# KiCad board VME_Protoboard_160.kicad_pcb
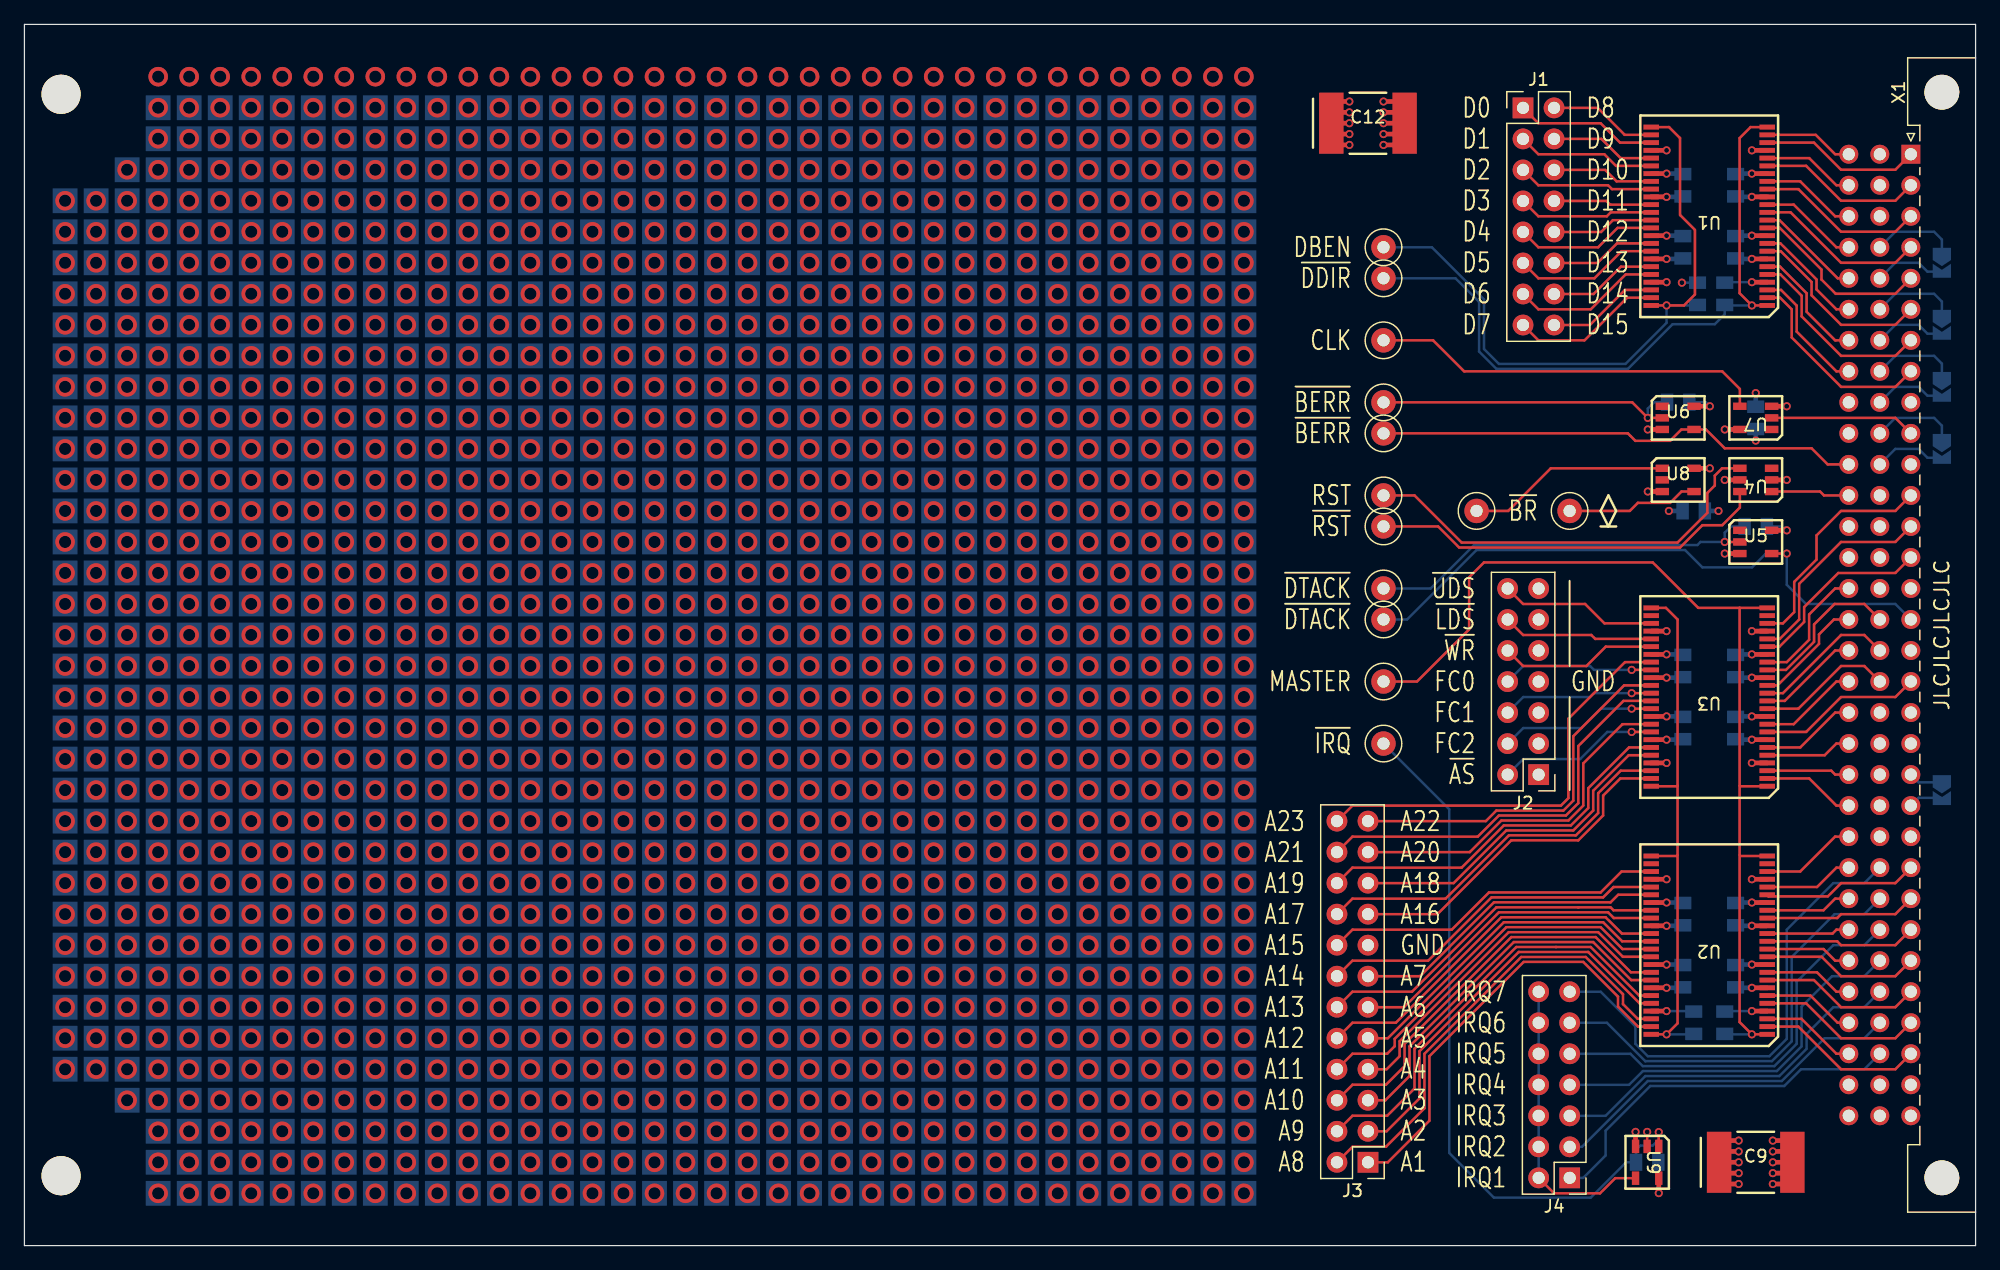
[diagram p0: board, top side]
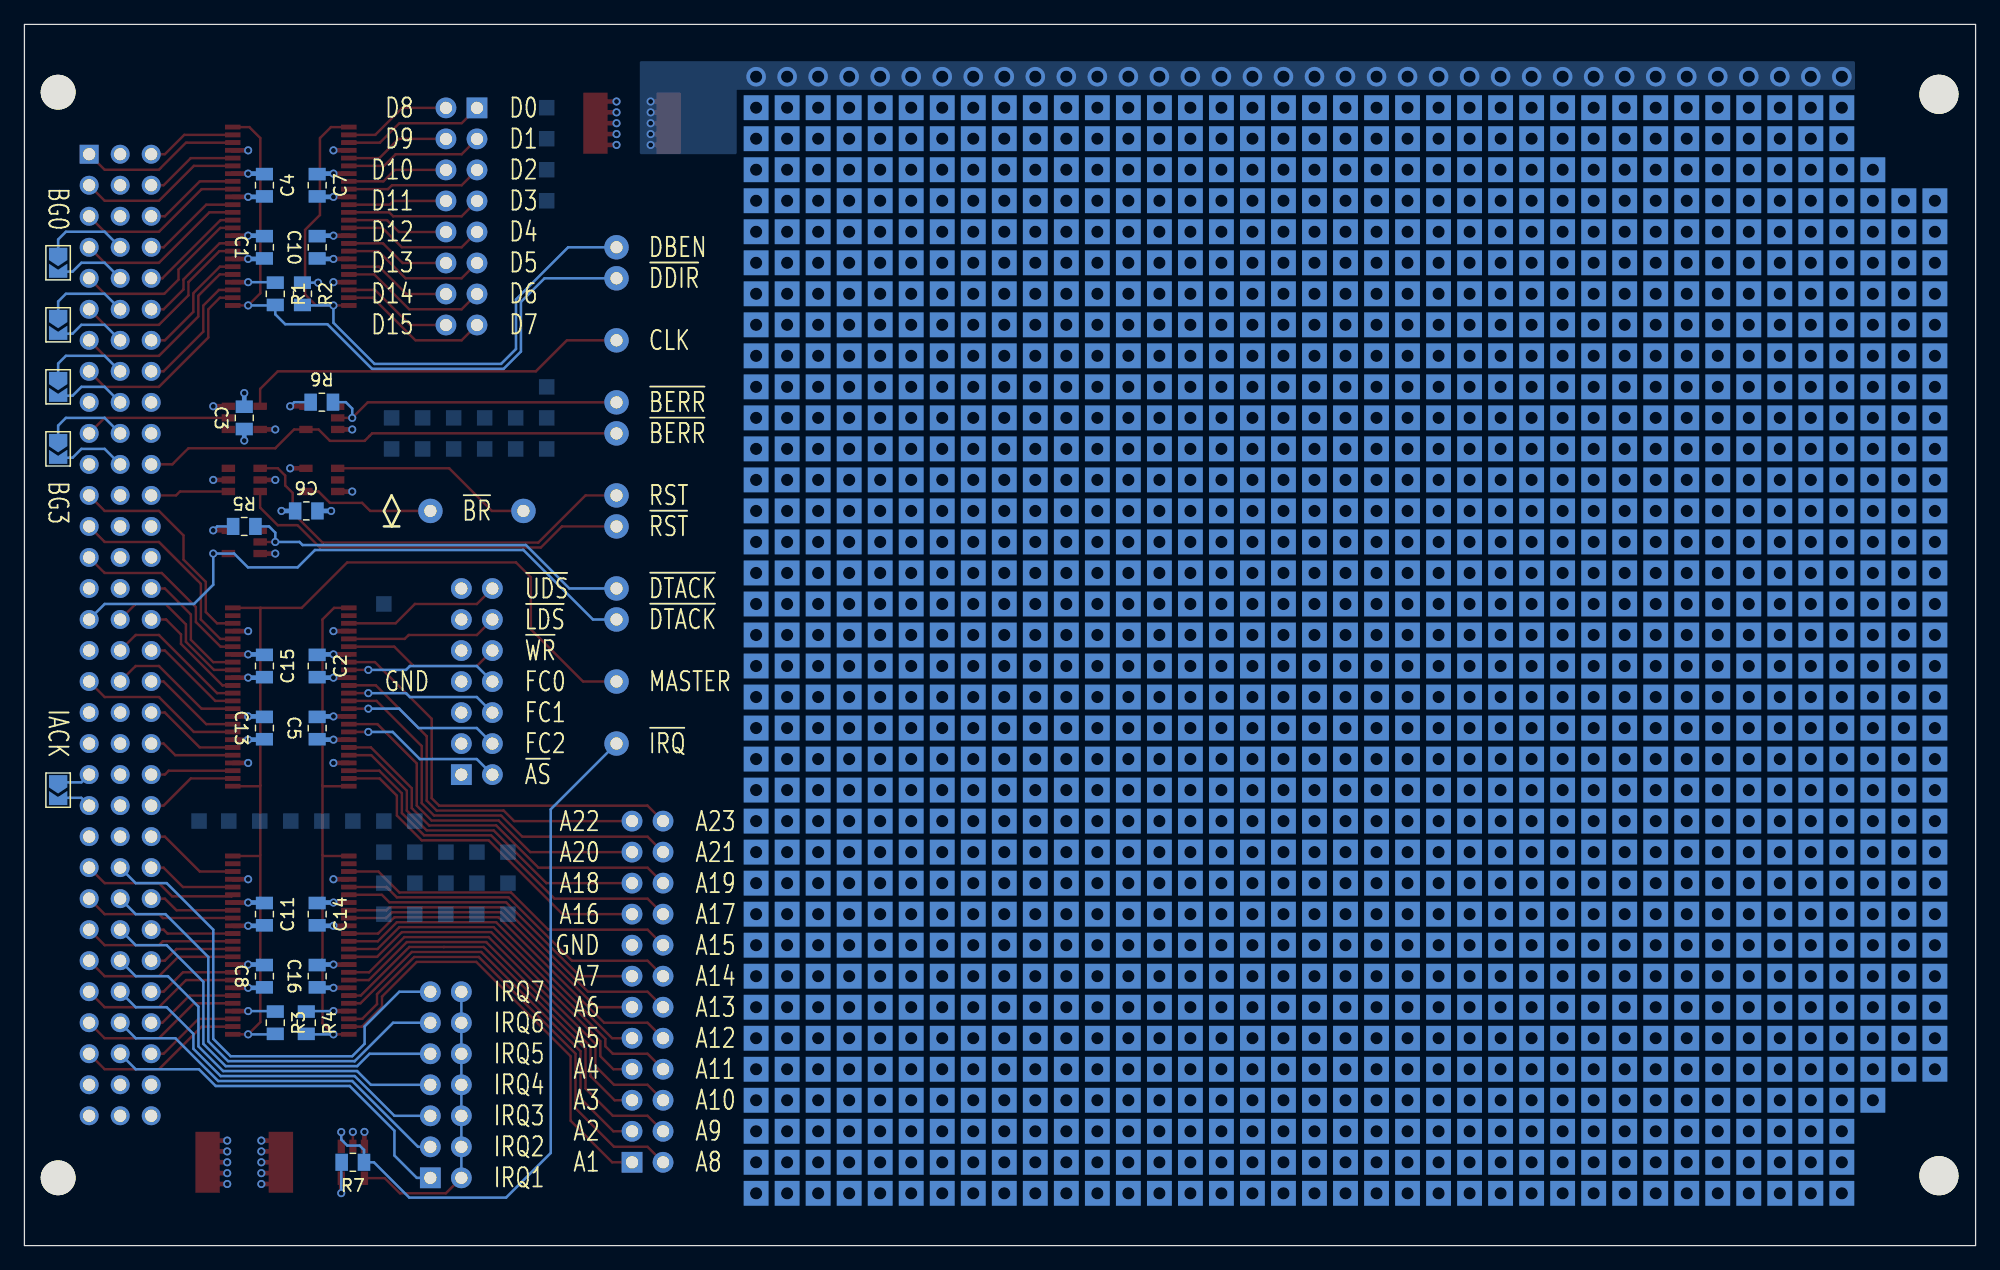
[diagram p1: board, bottom side, seen from below]

Outline 159.76 x 100 mm; copper layers: Top, In1.Cu, In2.Cu, Bottom. Coordinates in mm from the lower left corner of the outline.
Outline path: 0,100 0,0 159.76,0 159.76,100 0,100
Stack: Top 0.035mm / dielectric 1.51mm FR4 er 4.5 / In1.Cu 0.035mm / dielectric 1.51mm FR4 er 4.5 / In2.Cu 0.035mm / dielectric 1.51mm FR4 er 4.5 / Bottom 0.035mm

## Placement (name value [footprint] x y rotation side)
C1  100nF  [C_SMD0805]  140.11 81.75 90 bottom
C2  100nF  [C_SMD0805]  135.79 47.46 270 bottom
C3  100nF  [C_SMD0805]  141.76 67.78 90 bottom
C4  100nF  [C_SMD0805]  140.11 86.83 270 bottom
C5  100nF  [C_SMD0805]  135.79 42.38 90 bottom
C6  100nF  [C_SMD0805]  136.68 60.16 180 bottom
C7  100nF  [C_SMD0805]  135.79 86.83 270 bottom
C8  100nF  [C_SMD0805]  140.11 22.06 90 bottom
C9  100uF  [C_SMD_4.3MMx7.3MM]  141.76 6.82 0 top
C10  100nF  [C_SMD0805]  135.79 81.75 90 bottom
C11  100nF  [C_SMD0805]  140.11 27.14 270 bottom
C12  100uF  [C_SMD_4.3MMx7.3MM]  110.01 91.91 0 top
C13  100nF  [C_SMD0805]  140.11 42.38 90 bottom
C14  100nF  [C_SMD0805]  135.79 27.14 270 bottom
C15  100nF  [C_SMD0805]  140.11 47.46 270 bottom
C16  100nF  [C_SMD0805]  135.79 22.06 90 bottom
J1  Conn_02x08_Odd_Even  [PinHeader_2x08_P2.54mm_Vertical]  122.71 93.16 0 top
J2  Conn_02x08_Odd_Even  [PinHeader_2x07_P2.54mm_Vertical]  123.99 38.56 180 top
J3  Conn_02x12_Odd_Even  [PinHeader_2x12_P2.54mm_Vertical]  110.01 6.82 180 top
J4  Conn_02x07_Odd_Even  [PinHeader_2x07_P2.54mm_Vertical]  126.53 5.54 180 top
JP1  SolderJumper_2_Open  [SolderJumper-2_P1.3mm_Open_TrianglePad1.0x1.5mm]  157 37.3 270 bottom
JP2  SolderJumper_2_Open  [SolderJumper-2_P1.3mm_Open_TrianglePad1.0x1.5mm]  157 80.48 270 bottom
JP3  SolderJumper_2_Open  [SolderJumper-2_P1.3mm_Open_TrianglePad1.0x1.5mm]  157 75.4 270 bottom
JP4  SolderJumper_2_Open  [SolderJumper-2_P1.3mm_Open_TrianglePad1.0x1.5mm]  157 70.32 270 bottom
JP5  SolderJumper_2_Open  [SolderJumper-2_P1.3mm_Open_TrianglePad1.0x1.5mm]  157 65.24 270 bottom
R1  10K  [R_SMD0805]  139.22 77.94 270 bottom
R2  10K  [R_SMD0805]  137 77.94 270 bottom
R3  10K  [R_SMD0805]  139.22 18.25 270 bottom
R4  10K  [R_SMD0805]  136.68 18.25 270 bottom
R5  10K  [R_SMD0805]  141.76 58.89 180 bottom
R6  10K  [R_SMD0805]  135.41 69.06 180 bottom
R7  10K  [R_SMD0805]  132.87 6.82 0 bottom
REF**  -  [MountingHole_3.2mm_M3]  3 94.28 0 top
REF**#2  -  [MountingHole_3.2mm_M3]  3 5.72 0 top
TP1  TestPoint  [TestPoint_Loop_D1.80mm_Drill1.0mm_Beaded]  111.28 79.21 0 top
TP2  TestPoint  [TestPoint_Loop_D1.80mm_Drill1.0mm_Beaded]  111.28 81.75 0 top
TP3  TestPoint  [TestPoint_Loop_D1.80mm_Drill1.0mm_Beaded]  111.28 46.19 0 top
TP4  TestPoint  [TestPoint_Loop_D1.80mm_Drill1.0mm_Beaded]  111.28 53.81 270 top
TP5  TestPoint  [TestPoint_Loop_D1.80mm_Drill1.0mm_Beaded]  111.28 69.05 270 top
TP6  TestPoint  [TestPoint_Loop_D1.80mm_Drill1.0mm_Beaded]  111.28 51.27 0 top
TP7  TestPoint  [TestPoint_Loop_D1.80mm_Drill1.0mm_Beaded]  111.28 66.51 0 top
TP8  TestPoint  [TestPoint_Loop_D1.80mm_Drill1.0mm_Beaded]  111.28 74.13 270 top
TP9  TestPoint  [TestPoint_Loop_D1.80mm_Drill1.0mm_Beaded]  111.28 58.89 270 top
TP10  TestPoint  [TestPoint_Loop_D1.80mm_Drill1.0mm_Beaded]  111.28 61.43 270 top
TP11  TestPoint  [TestPoint_Loop_D1.80mm_Drill1.0mm_Beaded]  118.9 60.16 270 top
TP12  TestPoint  [TestPoint_Loop_D1.80mm_Drill1.0mm_Beaded]  111.28 41.11 270 top
TP13  TestPoint  [TestPoint_Loop_D1.80mm_Drill1.0mm_Beaded]  126.52 60.16 0 top
U1  74x16245  [Package_SSOP48-1]  137.95 84.29 180 top
U2  74x16245  [Package_SSOP48-1]  137.95 24.6 180 top
U3  74x16245  [Package_SSOP48-1]  137.95 44.92 180 top
U4  74x1G19  [Package_SOT23-6]  141.76 62.7 180 top
U5  74x1G07  [Package_SOT23-5]  141.76 57.62 0 top
U6  74x1G07  [Package_SOT23-5]  135.41 67.78 0 top
U7  74x1G125  [Package_SOT23-5]  141.76 67.78 180 top
U8  74x1G125  [Package_SOT23-5]  135.41 62.7 0 top
U9  74x1G125  [Package_SOT23-5]  132.87 6.82 270 top
X1  DIN41612_03x32_ABC_VMEbus  [DIN41612_C_3x32_Male_Horizontal_THT]  154.46 89.37 270 top

## Footprints (pads in the part's own frame, mm; a bottom-side part is the same pattern mirrored in y, then rotated)
C_SMD0805
  rect 1.025x1.4 smd: 1(-0.912,0) 2(0.912,0)
C_SMD_4.3MMx7.3MM
  rect 2x5 smd: 1(-3,0) 2(3,0)
DIN41612_C_3x32_Male_Horizontal_THT
  round 2.85 hole 2.85 unplated: (-5.08,2.54) (83.82,2.54)
  rect 1.55x1.55 hole 1: a1(0,0)
  round 1.55 hole 1: a2(2.54,0) a3(5.08,0) a4(7.62,0) a5(10.16,0) a6(12.7,0) a7(15.24,0) a8(17.78,0) a9(20.32,0) a10(22.86,0) a11(25.4,0) a12(27.94,0) a13(30.48,0) a14(33.02,0) a15(35.56,0) a16(38.1,0) a17(40.64,0) a18(43.18,0) a19(45.72,0) a20(48.26,0) a21(50.8,0) a22(53.34,0) a23(55.88,0) a24(58.42,0) a25(60.96,0) a26(63.5,0) a27(66.04,0) a28(68.58,0) a29(71.12,0) a30(73.66,0) a31(76.2,0) a32(78.74,0) b1(0,-2.54) b2(2.54,-2.54) b3(5.08,-2.54) b4(7.62,-2.54) b5(10.16,-2.54) b6(12.7,-2.54) b7(15.24,-2.54) b8(17.78,-2.54) b9(20.32,-2.54) b10(22.86,-2.54) b11(25.4,-2.54) b12(27.94,-2.54) b13(30.48,-2.54) b14(33.02,-2.54) b15(35.56,-2.54) b16(38.1,-2.54) b17(40.64,-2.54) b18(43.18,-2.54) b19(45.72,-2.54) b20(48.26,-2.54) b21(50.8,-2.54) b22(53.34,-2.54) b23(55.88,-2.54) b24(58.42,-2.54) b25(60.96,-2.54) b26(63.5,-2.54) b27(66.04,-2.54) b28(68.58,-2.54) b29(71.12,-2.54) b30(73.66,-2.54) b31(76.2,-2.54) b32(78.74,-2.54) c1(0,-5.08) c2(2.54,-5.08) c3(5.08,-5.08) c4(7.62,-5.08) c5(10.16,-5.08) c6(12.7,-5.08) c7(15.24,-5.08) c8(17.78,-5.08) c9(20.32,-5.08) c10(22.86,-5.08) c11(25.4,-5.08) c12(27.94,-5.08) c13(30.48,-5.08) c14(33.02,-5.08) c15(35.56,-5.08) c16(38.1,-5.08) c17(40.64,-5.08) c18(43.18,-5.08) c19(45.72,-5.08) c20(48.26,-5.08) c21(50.8,-5.08) c22(53.34,-5.08) c23(55.88,-5.08) c24(58.42,-5.08) c25(60.96,-5.08) c26(63.5,-5.08) c27(66.04,-5.08) c28(68.58,-5.08) c29(71.12,-5.08) c30(73.66,-5.08) c31(76.2,-5.08) c32(78.74,-5.08)
MountingHole_3.2mm_M3
  round 3.2 hole 3.2 unplated: (0,0)
Package_SOT23-5
  rect 1.1x0.6 smd: 1(-1.3,0.95) 2(-1.3,0) 3(-1.3,-0.95) 4(1.3,-0.95) 5(1.3,0.95)
Package_SOT23-6
  rect 1.1x0.6 smd: 1(-1.3,0.95) 2(-1.3,0) 3(-1.3,-0.95) 4(1.3,-0.95) 5(1.3,0) 6(1.3,0.95)
Package_SSOP48-1
  rect 1.27x0.4 smd: 1(-4.751,7.303) 2(-4.751,6.668) 3(-4.751,6.032) 4(-4.751,5.397) 5(-4.751,4.763) 6(-4.751,4.128) 7(-4.751,3.493) 8(-4.751,2.857) 9(-4.751,2.223) 10(-4.751,1.587) 11(-4.751,0.953) 12(-4.751,0.318) 13(-4.751,-0.318) 14(-4.751,-0.953) 15(-4.751,-1.587) 16(-4.751,-2.223) 17(-4.751,-2.857) 18(-4.751,-3.493) 19(-4.751,-4.128) 20(-4.751,-4.763) 21(-4.751,-5.397) 22(-4.751,-6.032) 23(-4.751,-6.668) 24(-4.751,-7.303) 25(4.751,-7.303) 26(4.751,-6.668) 27(4.751,-6.032) 28(4.751,-5.397) 29(4.751,-4.763) 30(4.751,-4.128) 31(4.751,-3.493) 32(4.751,-2.857) 33(4.751,-2.223) 34(4.751,-1.587) 35(4.751,-0.953) 36(4.751,-0.318) 37(4.751,0.318) 38(4.751,0.953) 39(4.751,1.587) 40(4.751,2.223) 41(4.751,2.857) 42(4.751,3.493) 43(4.751,4.128) 44(4.751,4.763) 45(4.751,5.397) 46(4.751,6.032) 47(4.751,6.668) 48(4.751,7.303)
PinHeader_2x07_P2.54mm_Vertical
  rect 1.7x1.7 hole 1: 1(0,0)
  oval 1.7x1.7 hole 1: 2(2.54,0) 3(0,-2.54) 4(2.54,-2.54) 5(0,-5.08) 6(2.54,-5.08) 7(0,-7.62) 8(2.54,-7.62) 9(0,-10.16) 10(2.54,-10.16) 11(0,-12.7) 12(2.54,-12.7) 13(0,-15.24) 14(2.54,-15.24)
PinHeader_2x08_P2.54mm_Vertical
  rect 1.7x1.7 hole 1: 1(0,0)
  oval 1.7x1.7 hole 1: 2(2.54,0) 3(0,-2.54) 4(2.54,-2.54) 5(0,-5.08) 6(2.54,-5.08) 7(0,-7.62) 8(2.54,-7.62) 9(0,-10.16) 10(2.54,-10.16) 11(0,-12.7) 12(2.54,-12.7) 13(0,-15.24) 14(2.54,-15.24) 15(0,-17.78) 16(2.54,-17.78)
PinHeader_2x12_P2.54mm_Vertical
  rect 1.7x1.7 hole 1: 1(0,0)
  oval 1.7x1.7 hole 1: 2(2.54,0) 3(0,-2.54) 4(2.54,-2.54) 5(0,-5.08) 6(2.54,-5.08) 7(0,-7.62) 8(2.54,-7.62) 9(0,-10.16) 10(2.54,-10.16) 11(0,-12.7) 12(2.54,-12.7) 13(0,-15.24) 14(2.54,-15.24) 15(0,-17.78) 16(2.54,-17.78) 17(0,-20.32) 18(2.54,-20.32) 19(0,-22.86) 20(2.54,-22.86) 21(0,-25.4) 22(2.54,-25.4) 23(0,-27.94) 24(2.54,-27.94)
R_SMD0805
  rect 1.025x1.4 smd: 1(-0.912,0) 2(0.912,0)
SolderJumper-2_P1.3mm_Open_TrianglePad1.0x1.5mm
  custom 1.5x1.5 smd: 1(-0.725,0)
  custom 1.15x1.5 smd: 2(0.725,0)
TestPoint_Loop_D1.80mm_Drill1.0mm_Beaded
  round 2 hole 1: 1(0,0)

## Nets
+5V: C1.1 C2.1 C3.1 C4.1 C5.1 C6.1 C7.1 C8.1 C9.1 C10.1 C11.1 C12.1 C13.1 C14.1 C15.1 C16.1 R2.1 R5.1 R6.1 R7.2 U1.7 U1.18 U1.31 U1.42 U2.7 U2.18 U2.31 U2.42 U3.7 U3.18 U3.31 U3.42 U4.5 U5.5 U6.5 U7.5 U8.5 U9.5 X1.a32 X1.b32 X1.c32
GND: C1.2 C2.2 C3.2 C4.2 C5.2 C6.2 C7.2 C8.2 C9.2 C10.2 C11.2 C12.2 C13.2 C14.2 C15.2 C16.2 J2.1 J2.3 J2.5 J2.7 J2.9 J2.11 J2.13 J3.15 R1.1 R3.1 R4.1 U1.4 U1.10 U1.15 U1.21 U1.28 U1.34 U1.39 U1.45 U2.4 U2.10 U2.15 U2.21 U2.23 U2.26 U2.28 U2.34 U2.39 U2.45 U3.4 U3.10 U3.15 U3.21 U3.23 U3.26 U3.28 U3.34 U3.39 U3.45 U4.2 U4.3 U5.3 U6.3 U7.1 U7.3 U8.2 U8.3 U9.2 U9.3 X1.a9 X1.a11 X1.a15 X1.a17 X1.a19 X1.b20 X1.b23 X1.c9
/A1: J3.1 U2.47
/A2: J3.3 U2.44
/A3: J3.5 U2.41
/A4: J3.7 U2.38
/A5: J3.9 U2.36
/A6: J3.11 U2.33
/A7: J3.13 U2.30
/A8: J3.2 U2.46
/A9: J3.4 U2.43
/A10: J3.6 U2.40
/A11: J3.8 U2.37
/A12: J3.10 U2.35
/A13: J3.12 U2.32
/A14: J3.14 U2.29
/A15: J3.16 U2.27
/A16: J3.17 U3.47
/A17: J3.18 U3.46
/A18: J3.19 U3.44
/A19: J3.20 U3.43
/A20: J3.21 U3.40
/A21: J3.22 U3.37
/A22: J3.23 U3.35
/A23: J3.24 U3.32
/D0: J1.1 U1.27
/D1: J1.3 U1.30
/D2: J1.5 U1.33
/D3: J1.7 U1.36
/D4: J1.9 U1.38
/D5: J1.11 U1.41
/D6: J1.13 U1.44
/D7: J1.15 U1.47
/D8: J1.2 U1.26
/D9: J1.4 U1.29
/D10: J1.6 U1.32
/D11: J1.8 U1.35
/D12: J1.10 U1.37
/D13: J1.12 U1.40
/D14: J1.14 U1.43
/D15: J1.16 U1.46
/DDIR: R1.2 TP1.1 U1.1 U1.24
/FC0: J2.8 U3.33
/FC0`: U3.16 X1.b16
/FC1: J2.6 U3.36
/FC1`: U3.13 X1.b17
/FC2: J2.4 U3.38
/FC2`: U3.11 X1.b18
/MASTER: R3.2 TP3.1 U2.1 U2.24 U3.1 U3.24
/SA1: U2.2 X1.a30
/SA2: U2.5 X1.a29
/SA3: U2.8 X1.a28
/SA4: U2.11 X1.a27
/SA5: U2.13 X1.a26
/SA6: U2.16 X1.a25
/SA7: U2.19 X1.a24
/SA8: U2.3 X1.c30
/SA9: U2.6 X1.c29
/SA10: U2.9 X1.c28
/SA11: U2.12 X1.c27
/SA12: U2.14 X1.c26
/SA13: U2.17 X1.c25
/SA14: U2.20 X1.c24
/SA15: U2.22 X1.c23
/SA16: U3.2 X1.c22
/SA17: U3.3 X1.c21
/SA18: U3.5 X1.c20
/SA19: U3.6 X1.c19
/SA20: U3.9 X1.c18
/SA21: U3.12 X1.c17
/SA22: U3.14 X1.c16
/SA23: U3.17 X1.c15
/SD0: U1.22 X1.a1
/SD1: U1.19 X1.a2
/SD2: U1.16 X1.a3
/SD3: U1.13 X1.a4
/SD4: U1.11 X1.a5
/SD5: U1.8 X1.a6
/SD6: U1.5 X1.a7
/SD7: U1.2 X1.a8
/SD8: U1.23 X1.c1
/SD9: U1.20 X1.c2
/SD10: U1.17 X1.c3
/SD11: U1.14 X1.c4
/SD12: U1.12 X1.c5
/SD13: U1.9 X1.c6
/SD14: U1.6 X1.c7
/SD15: U1.3 X1.c8
/SYSCLK: TP8.1 U7.4
/SYSCLK`: U7.2 X1.a10
/SYSRESET: TP10.1 U4.4
/~{AS`}: U3.8 X1.a18
/~{AS}: J2.2 U3.41
/~{BERR_DRV}: R6.2 TP5.1 U6.2
/~{BERR`}: TP7.1 U6.4 X1.c11
/~{BG0IN}: JP2.1 X1.b4
/~{BG0OUT}: JP2.2 X1.b5
/~{BG1IN}: JP3.1 X1.b6
/~{BG1OUT}: JP3.2 X1.b7
/~{BG2IN}: JP4.1 X1.b8
/~{BG2OUT}: JP4.2 X1.b9
/~{BG3IN}: JP5.1 X1.b10
/~{BG3OUT}: JP5.2 X1.b11
/~{BR0`}: X1.b12
/~{BR1`}: X1.b13
/~{BR2`}: X1.b14
/~{BR3`}: X1.b15
/~{BR}: TP11.1 U8.1
/~{DBEN}: R2.2 TP2.1 U1.25 U1.48
/~{DTACK_DRV}: R5.2 TP4.1 U5.2
/~{DTACK`}: TP6.1 U5.4 X1.a16
/~{IACKIN}: JP1.1 X1.a21
/~{IACKOUT}: JP1.2 X1.a22
/~{IRQ1`}: J4.1 X1.b30
/~{IRQ2`}: J4.3 X1.b29
/~{IRQ3`}: J4.5 X1.b28
/~{IRQ4`}: J4.7 X1.b27
/~{IRQ5`}: J4.9 X1.b26
/~{IRQ6`}: J4.11 X1.b25
/~{IRQ7`}: J4.13 X1.b24
/~{IRQ}: R7.1 TP12.1 U9.1
/~{LDS`}: U3.20 X1.a13
/~{LDS}: J2.12 U3.29
/~{SYSRESET`}: U4.1 X1.c12
/~{SYSRESET}: TP9.1 U4.6
/~{UDS`}: U3.22 X1.a12
/~{UDS}: J2.14 U3.27
/~{WRITE`}: U3.19 X1.a14
/~{WRITE}: J2.10 U3.30
Net-(J4-Pad10): J4.2 J4.4 J4.6 J4.8 J4.10 J4.12 J4.14 U9.4
Net-(R4-Pad2): R4.2 U2.25 U2.48 U3.25 U3.48
Net-(TP13-Pad1): TP13.1 U8.4

Pads without a net: U5 1; U6 1; X1 a20 a23 a31 b1 b2 b3 b19 b21 b22 b31 c10 c13 c14 c31

## Via types
v1: diameter 1.6, hole 1, Top to Bottom, 1421 vias
v2: diameter 0.66, hole 0.4, Top to Bottom, 86 vias

## Routing (per net, layer and track width the routed paths; a pad name or vN(x,y) marks a point on that pad's centre or on a via; arc(x,y) is an arc through that point)
+5V: length 64
  Top w0.381: U2.31 v2(134.46,28.09) ; U2.18 v2(141.44,28.09) ; 106.91,90.28 107.06,90.13 v2(108.49,90.13) ; U3.31 v2(134.46,48.41) ; v2(108.49,91.02) 106.99,91.02 106.91,91.1 ; U1.18 v2(141.44,87.78) ; 106.91,92.72 106.99,92.8 v2(108.49,92.8) ; v2(108.49,93.69) 107.06,93.69 106.91,93.54 ; U4.5 v2(139.22,62.7) ; v2(140.36,8.6) 138.84,8.6 ; v2(140.36,7.71) 138.71,7.71 ; v2(140.36,6.82) 138.71,6.82 ; U3.42 v2(134.46,41.43) ; v2(140.36,5.04) 138.84,5.04 ; v2(138,63.65) U8.5 ; U2.42 v2(134.46,21.11) ; v2(144.3,58.57) U5.5 ; U1.42 v2(134.46,80.8) ; v2(139.22,66.83) U7.5 ; U1.7 v2(141.44,80.8) ; v2(138,68.73) U6.5 ; U3.18 v2(141.44,48.41) ; U1.31 v2(134.46,87.78) ; U2.7 v2(141.44,21.11) ; U3.7 v2(141.44,41.43) ; v2(140.36,5.93) 138.97,5.93 ; v2(133.82,4.3) U9.5 ; v2(108.49,91.91) C12.1
  Bottom w0.203: R5.1 143.98,58.89 v2(144.3,58.57) ; v2(138,68.73) 137.67,69.06 R6.1 ; v2(133.82,4.3) 133.82,6.78 R7.2 ; v2(135.71,78.85) R2.1
  Bottom w0.381: C16.1 135.75,21.11 v2(134.46,21.11) ; v2(134.46,87.78) 135.75,87.78 C7.1 ; C13.1 140.15,41.43 v2(141.44,41.43) ; C4.1 140.15,87.78 v2(141.44,87.78) ; v2(141.44,28.09) 140.15,28.09 C11.1 ; C5.1 135.75,41.43 v2(134.46,41.43) ; v2(134.46,80.8) 135.75,80.8 C10.1 ; v2(134.46,48.41) 135.75,48.41 C2.1 ; C14.1 135.75,28.09 v2(134.46,28.09) ; C6.1 v2(138.71,60.16) ; C1.1 140.15,80.8 v2(141.44,80.8) ; C15.1 140.15,48.41 v2(141.44,48.41) ; v2(141.44,21.11) 140.15,21.11 C8.1 ; C3.1 v2(141.76,65.92)
  vias: v1(10.95,95.72) v1(13.49,95.72) v1(16.03,95.72) v1(18.57,95.72) v1(21.11,95.72) v1(23.65,95.72) v1(26.19,95.72) v1(28.73,95.72) v1(31.27,95.72) v1(33.81,95.72) v1(36.35,95.72) v1(38.89,95.72) v1(41.43,95.72) v1(43.97,95.72) v1(46.51,95.72) v1(49.05,95.72) v1(51.59,95.72) v1(54.13,95.72) v1(56.67,95.72) v1(59.21,95.72) v1(61.75,95.72) v1(64.29,95.72) v1(66.83,95.72) v1(69.37,95.72) v1(71.91,95.72) v1(74.45,95.72) v1(76.99,95.72) v1(79.53,95.72) v1(82.07,95.72) v1(84.61,95.72) v1(87.15,95.72) v1(89.69,95.72) v1(92.23,95.72) v1(94.77,95.72) v1(97.31,95.72) v1(99.85,95.72)
GND: length 80.2
  Top w0.203: U9.2 v2(132.87,9.31)
  Top w0.381: U1.39 v2(134.46,82.7) ; v2(111.28,91.91) C12.2 ; 113.01,93.54 112.85,93.69 v2(111.28,93.69) ; v2(143.16,5.93) 144.68,5.93 ; U2.4 v2(141.44,19.2) ; U2.39 v2(134.46,23.01) ; U1.10 v2(141.44,82.7) ; U3.34 v2(134.46,46.51) ; v2(143.16,6.82) 144.81,6.82 ; U2.28 v2(134.46,30) ; 113.01,91.1 112.93,91.02 v2(111.28,91.02) ; U3.4 v2(141.44,39.52) ; v2(132.92,61.75) U8.3 ; U3.21 v2(141.44,50.32) ; U3.15 v2(141.44,46.51) ; U2.45 v2(134.46,19.2) ; U3.28 v2(134.46,50.32) ; U1.34 v2(134.46,85.88) ; v2(143.16,5.04) 144.55,5.04 ; U4.2 v2(144.3,62.7) ; U1.28 v2(134.46,89.69) ; v2(131.92,9.31) U9.3 ; v2(143.16,7.71) 144.68,7.71 ; v2(139.22,56.67) U5.3 ; v2(111.28,90.13) 112.85,90.13 113.01,90.28 ; U2.15 v2(141.44,26.19) ; U3.45 v2(134.46,39.52) ; v2(111.28,92.8) 112.73,92.8 112.8,92.72 ; U1.15 v2(141.44,85.88) ; U2.34 v2(134.46,26.19) ; U3.39 v2(134.46,43.33) ; U1.4 v2(141.44,78.89) ; U1.45 v2(134.46,78.89) ; v2(143.16,8.6) 144.81,8.6 ; U1.21 v2(141.44,89.69) ; U3.10 v2(141.44,43.33) ; v2(132.92,66.83) U6.3 ; U2.21 v2(141.44,30) ; v2(144.3,68.73) U7.3 ; U2.10 v2(141.44,23.01)
  Bottom w0.203: v2(141.44,19.2) 139.26,19.2 R3.1 ; R4.1 136.64,19.2 v2(134.46,19.2) ; v2(141.44,78.89) 139.26,78.89 R1.1
  Bottom w0.381: v2(134.46,85.88) 135.75,85.88 C7.2 ; C4.2 140.15,85.88 v2(141.44,85.88) ; C10.2 135.75,82.7 v2(134.46,82.7) ; v2(141.44,26.19) 140.15,26.19 C11.2 ; v2(134.46,46.51) 135.75,46.51 C2.2 ; C5.2 135.75,43.33 v2(134.46,43.33) ; v2(141.44,82.7) 140.15,82.7 C1.2 ; v2(134.46,23.01) 135.75,23.01 C16.2 ; v2(141.76,69.81) C3.2 ; C6.2 v2(134.65,60.16) ; v2(141.44,43.33) 140.15,43.33 C13.2 ; C8.2 140.15,23.01 v2(141.44,23.01) ; v2(141.44,46.51) 140.15,46.51 C15.2 ; v2(134.46,26.19) 135.75,26.19 C14.2
  vias: v1(10.95,4.28) v1(13.49,4.28) v1(16.03,4.28) v1(18.57,4.28) v1(21.11,4.28) v1(23.65,4.28) v1(26.19,4.28) v1(28.73,4.28) v1(31.27,4.28) v1(33.81,4.28) v1(36.35,4.28) v1(38.89,4.28) v1(41.43,4.28) v1(43.97,4.28) v1(46.51,4.28) v1(49.05,4.28) v1(51.59,4.28) v1(54.13,4.28) v1(56.67,4.28) v1(59.21,4.28) v1(61.75,4.28) v1(64.29,4.28) v1(66.83,4.28) v1(69.37,4.28) v1(71.91,4.28) v1(74.45,4.28) v1(76.99,4.28) v1(79.53,4.28) v1(82.07,4.28) v1(84.61,4.28) v1(87.15,4.28) v1(89.69,4.28) v1(92.23,4.28) v1(94.77,4.28) v1(97.31,4.28) v1(99.85,4.28)
(no net):